# Altium PCB PCB.PcbDoc (part 4 of 11)
Units mm, origin at the board's own origin, x right, y up, seen from the top; angles counter-clockwise.
Board outline 134.62 x 134.62 mm, 2 copper layers (Top Layer, Bottom Layer); 223 components, 326 nets, 5222 pads, 379 vias.
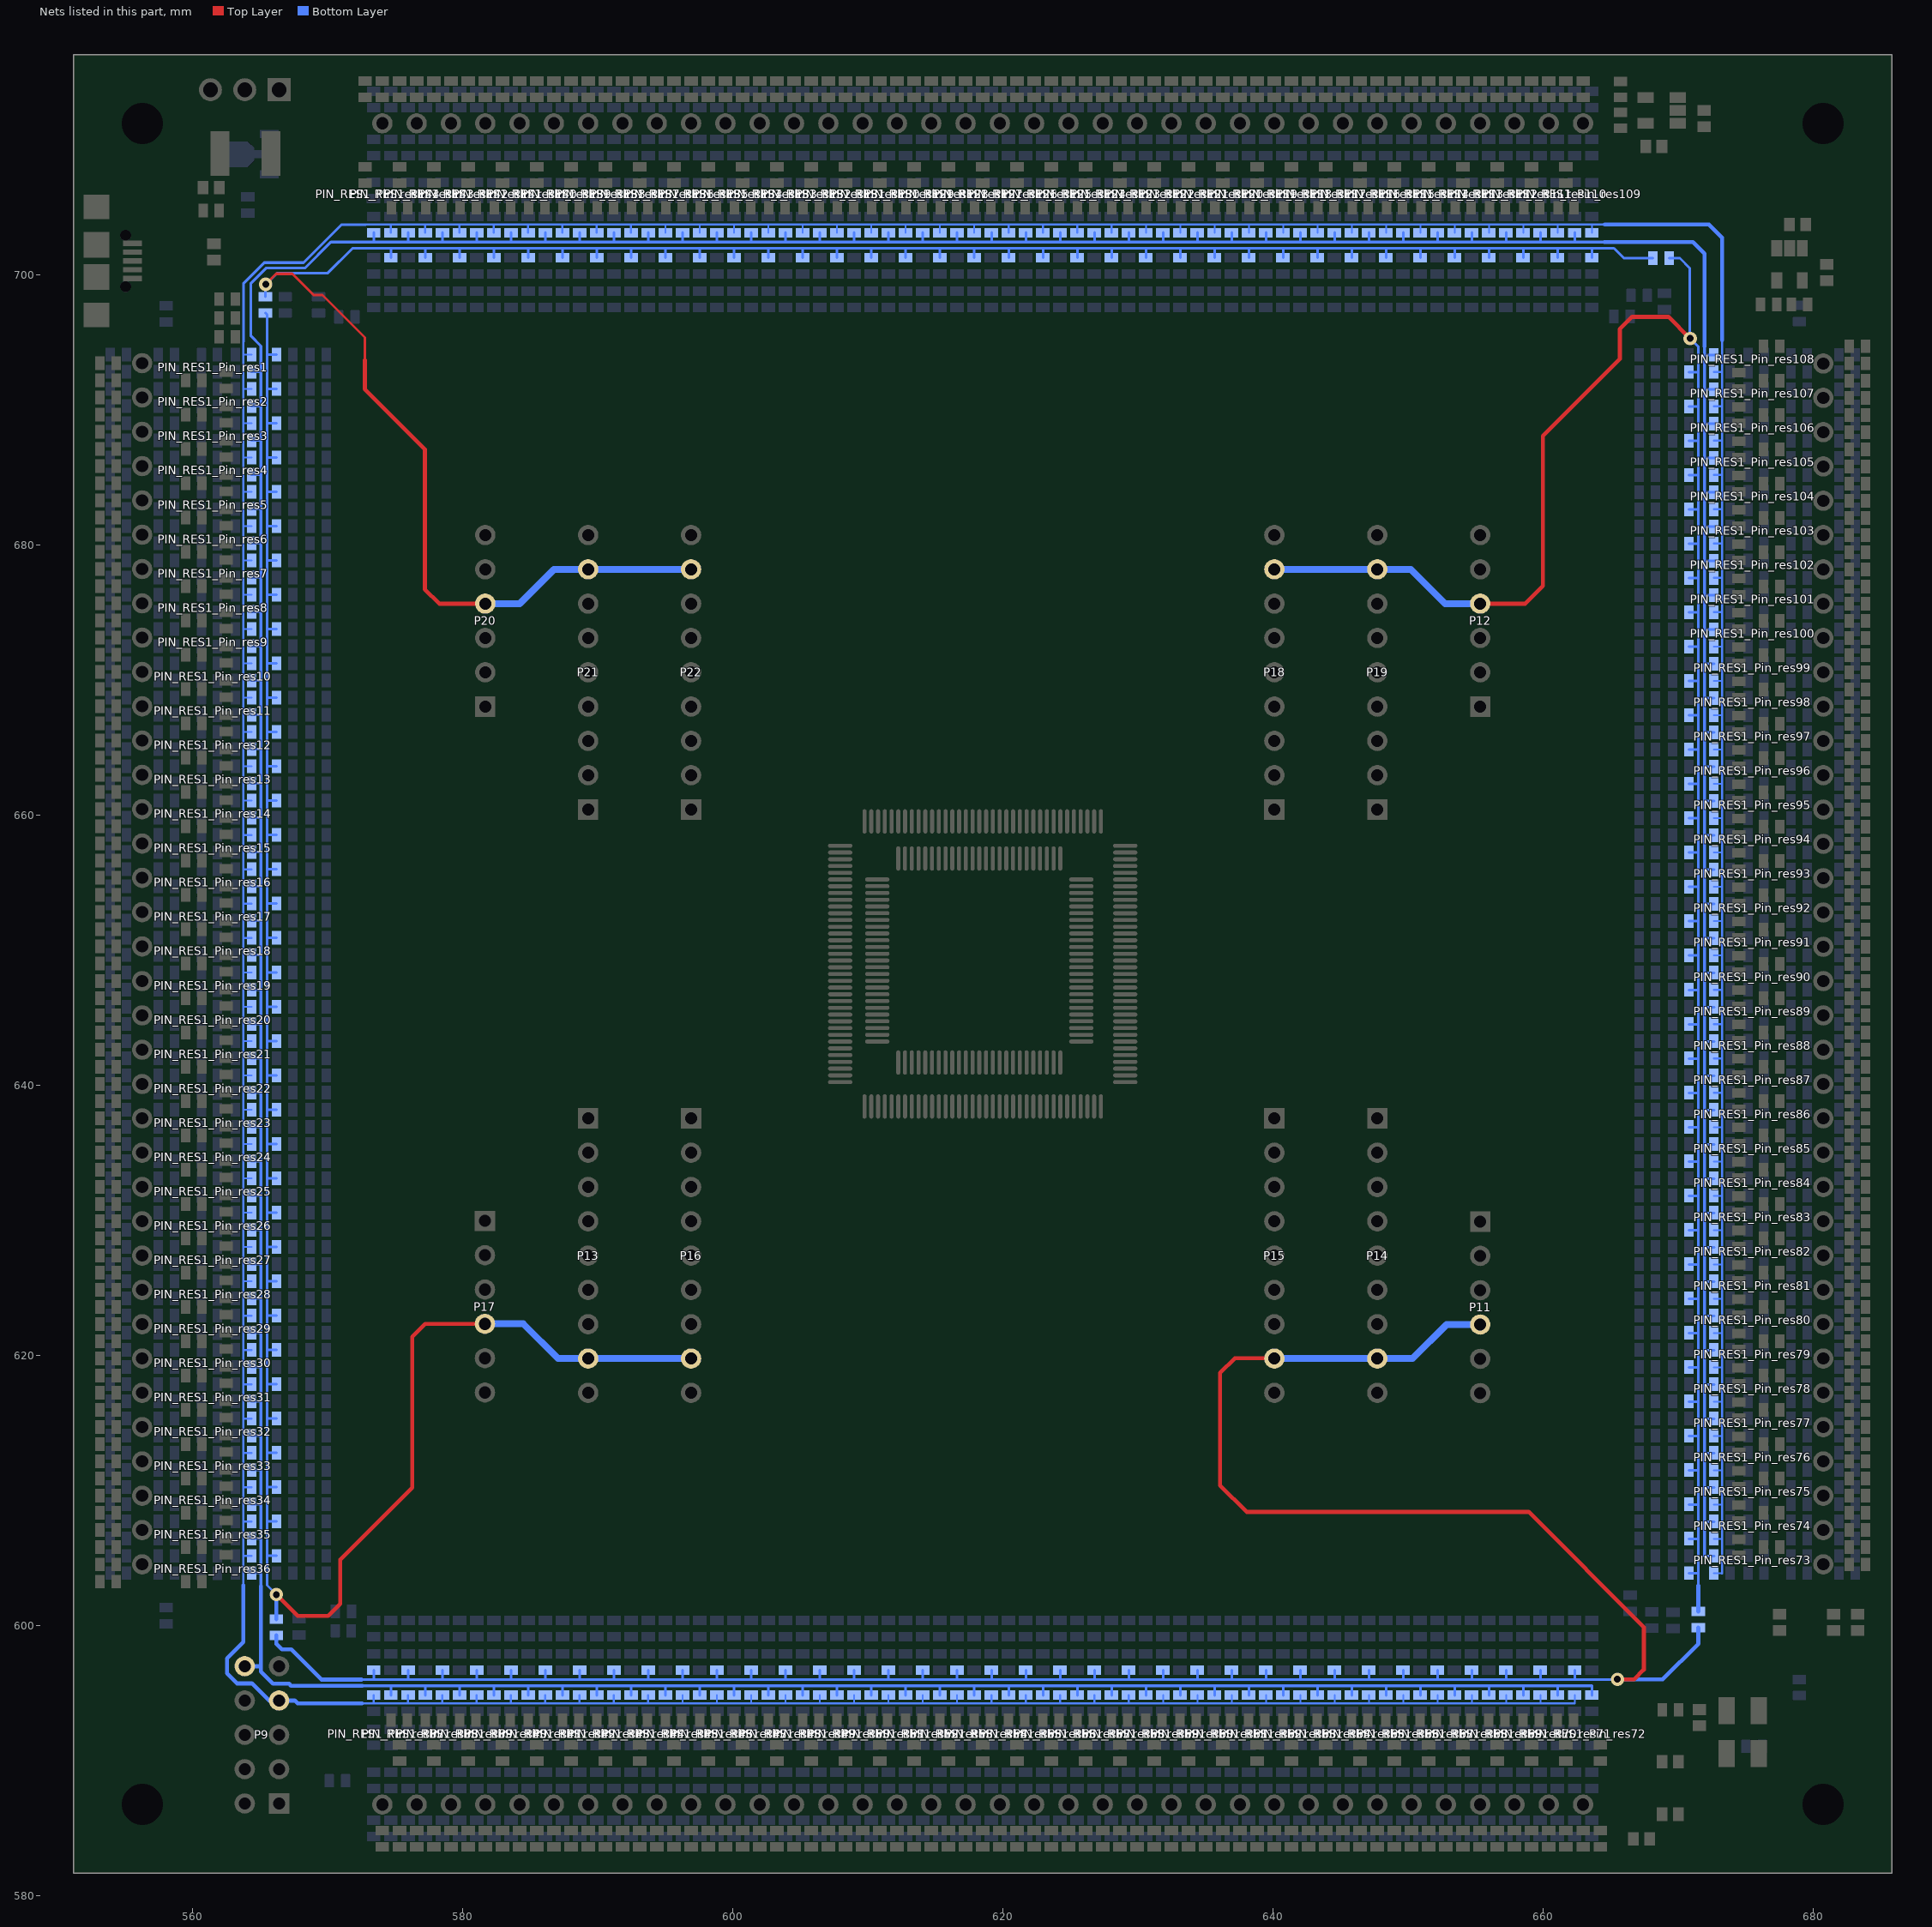
[diagram p4: the nets of this part, all layers, seen from the top]

## Via types
v1: diameter 1, hole 0.5, Top Layer to Bottom Layer, 322 vias
v2: diameter 1, hole 0.5, Top Layer to Bottom Layer, tented both sides, 57 vias

## Nets (pads, with @x,y where several pads share a name; then routed paths per layer and width w, separated by ;. In a path a pad name is that pad's centre, name@x,y a point inside that pad or via, vN(x,y) a via of type N, cw(c..) or ccw(c..) an arc to the next point about the centre after c; other vN are vias at no path point) (continued)
IO4: P9.7 PIN_RES1_Pin_res1.8 PIN_RES1_Pin_res2.8 PIN_RES1_Pin_res3.8 PIN_RES1_Pin_res4.8 PIN_RES1_Pin_res5.8 PIN_RES1_Pin_res6.8 PIN_RES1_Pin_res7.8 PIN_RES1_Pin_res8.8 PIN_RES1_Pin_res9.8 PIN_RES1_Pin_res10.8 PIN_RES1_Pin_res11.8 PIN_RES1_Pin_res12.8 PIN_RES1_Pin_res13.8 PIN_RES1_Pin_res14.8 PIN_RES1_Pin_res15.8 PIN_RES1_Pin_res16.8 PIN_RES1_Pin_res17.8 PIN_RES1_Pin_res18.8 PIN_RES1_Pin_res19.8 PIN_RES1_Pin_res20.8 PIN_RES1_Pin_res21.8 PIN_RES1_Pin_res22.8 PIN_RES1_Pin_res23.8 PIN_RES1_Pin_res24.8 PIN_RES1_Pin_res25.8 PIN_RES1_Pin_res26.8 PIN_RES1_Pin_res27.8 PIN_RES1_Pin_res28.8 PIN_RES1_Pin_res29.8 PIN_RES1_Pin_res30.8 PIN_RES1_Pin_res31.8 PIN_RES1_Pin_res32.8 PIN_RES1_Pin_res33.8 PIN_RES1_Pin_res34.8 PIN_RES1_Pin_res35.8 PIN_RES1_Pin_res36.8 PIN_RES1_Pin_res37.8 PIN_RES1_Pin_res38.8 PIN_RES1_Pin_res39.8 PIN_RES1_Pin_res40.8 PIN_RES1_Pin_res41.8 PIN_RES1_Pin_res42.8 PIN_RES1_Pin_res43.8 PIN_RES1_Pin_res44.8 PIN_RES1_Pin_res45.8 PIN_RES1_Pin_res46.8 PIN_RES1_Pin_res47.8 PIN_RES1_Pin_res48.8 PIN_RES1_Pin_res49.8 PIN_RES1_Pin_res50.8 PIN_RES1_Pin_res51.8 PIN_RES1_Pin_res52.8 PIN_RES1_Pin_res53.8 PIN_RES1_Pin_res54.8 PIN_RES1_Pin_res55.8 PIN_RES1_Pin_res56.8 PIN_RES1_Pin_res57.8 PIN_RES1_Pin_res58.8 PIN_RES1_Pin_res59.8 PIN_RES1_Pin_res60.8 PIN_RES1_Pin_res61.8 PIN_RES1_Pin_res62.8 PIN_RES1_Pin_res63.8 PIN_RES1_Pin_res64.8 PIN_RES1_Pin_res65.8 PIN_RES1_Pin_res66.8 PIN_RES1_Pin_res67.8 PIN_RES1_Pin_res68.8 PIN_RES1_Pin_res69.8 PIN_RES1_Pin_res70.8 PIN_RES1_Pin_res71.8 PIN_RES1_Pin_res72.8 PIN_RES1_Pin_res73.8 PIN_RES1_Pin_res74.8 PIN_RES1_Pin_res75.8 PIN_RES1_Pin_res76.8 PIN_RES1_Pin_res77.8 PIN_RES1_Pin_res78.8 PIN_RES1_Pin_res79.8 PIN_RES1_Pin_res80.8 PIN_RES1_Pin_res81.8 PIN_RES1_Pin_res82.8 PIN_RES1_Pin_res83.8 PIN_RES1_Pin_res84.8 PIN_RES1_Pin_res85.8 PIN_RES1_Pin_res86.8 PIN_RES1_Pin_res87.8 PIN_RES1_Pin_res88.8 PIN_RES1_Pin_res89.8 PIN_RES1_Pin_res90.8 PIN_RES1_Pin_res91.8 PIN_RES1_Pin_res92.8 PIN_RES1_Pin_res93.8 PIN_RES1_Pin_res94.8 PIN_RES1_Pin_res95.8 PIN_RES1_Pin_res96.8 PIN_RES1_Pin_res97.8 PIN_RES1_Pin_res98.8 PIN_RES1_Pin_res99.8 PIN_RES1_Pin_res100.8 PIN_RES1_Pin_res101.8 PIN_RES1_Pin_res102.8 PIN_RES1_Pin_res103.8 PIN_RES1_Pin_res104.8 PIN_RES1_Pin_res105.8 PIN_RES1_Pin_res106.8 PIN_RES1_Pin_res107.8 PIN_RES1_Pin_res108.8 PIN_RES1_Pin_res109.8 PIN_RES1_Pin_res110.8 PIN_RES1_Pin_res111.8 PIN_RES1_Pin_res112.8 PIN_RES1_Pin_res113.8 PIN_RES1_Pin_res114.8 PIN_RES1_Pin_res115.8 PIN_RES1_Pin_res116.8 PIN_RES1_Pin_res117.8 PIN_RES1_Pin_res118.8 PIN_RES1_Pin_res119.8 PIN_RES1_Pin_res120.8 PIN_RES1_Pin_res121.8 PIN_RES1_Pin_res122.8 PIN_RES1_Pin_res123.8 PIN_RES1_Pin_res124.8 PIN_RES1_Pin_res125.8 PIN_RES1_Pin_res126.8 PIN_RES1_Pin_res127.8 PIN_RES1_Pin_res128.8 PIN_RES1_Pin_res129.8 PIN_RES1_Pin_res130.8 PIN_RES1_Pin_res131.8 PIN_RES1_Pin_res132.8 PIN_RES1_Pin_res133.8 PIN_RES1_Pin_res134.8 PIN_RES1_Pin_res135.8 PIN_RES1_Pin_res136.8 PIN_RES1_Pin_res137.8 PIN_RES1_Pin_res138.8 PIN_RES1_Pin_res139.8 PIN_RES1_Pin_res140.8 PIN_RES1_Pin_res141.8 PIN_RES1_Pin_res142.8 PIN_RES1_Pin_res143.8 PIN_RES1_Pin_res144.8 | length 502
  Bottom Layer w0.15: 563.753,600.329 563.753,602.971 563.753,605.155 ; 563.753,695.02 563.753,694.106 ; 563.778,605.155 PIN_RES1_Pin_res36.8@564.353,605.155 563.753,605.155 ; 563.778,607.695 PIN_RES1_Pin_res35.8@564.353,607.695 ; 563.778,610.235 PIN_RES1_Pin_res34.8@564.353,610.235 ; 563.778,612.775 PIN_RES1_Pin_res33.8@564.353,612.775 ; 563.778,615.315 PIN_RES1_Pin_res32.8@564.353,615.315 ; 563.778,617.855 PIN_RES1_Pin_res31.8@564.353,617.855 ; 563.778,620.395 PIN_RES1_Pin_res30.8@564.353,620.395 ; 563.778,622.935 PIN_RES1_Pin_res29.8@564.353,622.935 ; 563.778,625.475 PIN_RES1_Pin_res28.8@564.353,625.475 ; 563.778,628.015 PIN_RES1_Pin_res27.8@564.353,628.015 ; 563.778,630.555 PIN_RES1_Pin_res26.8@564.353,630.555 ; 563.778,633.095 PIN_RES1_Pin_res25.8@564.353,633.095 ; 563.778,635.635 PIN_RES1_Pin_res24.8@564.353,635.635 ; 563.778,638.175 PIN_RES1_Pin_res23.8@564.353,638.175 ; 563.778,640.715 PIN_RES1_Pin_res22.8@564.353,640.715 ; 563.778,643.255 PIN_RES1_Pin_res21.8@564.353,643.255 ; 563.778,645.795 PIN_RES1_Pin_res20.8@564.353,645.795 ; 563.778,648.335 PIN_RES1_Pin_res19.8@564.353,648.335 ; 563.778,650.9 PIN_RES1_Pin_res18.8@564.353,650.9 ; 563.778,653.44 PIN_RES1_Pin_res17.8@564.353,653.44 ; 563.778,655.98 PIN_RES1_Pin_res16.8@564.353,655.98 ; 563.778,658.52 PIN_RES1_Pin_res15.8@564.353,658.52 ; 563.778,661.06 PIN_RES1_Pin_res14.8@564.353,661.06 ; 563.778,663.6 PIN_RES1_Pin_res13.8@564.353,663.6 ; 563.778,666.14 PIN_RES1_Pin_res12.8@564.353,666.14 ; 563.778,668.68 PIN_RES1_Pin_res11.8@564.353,668.68 ; 563.778,671.22 PIN_RES1_Pin_res10.8@564.353,671.22 ; 563.778,673.76 PIN_RES1_Pin_res9.8@564.353,673.76 ; 563.778,676.3 PIN_RES1_Pin_res8.8@564.353,676.3 ; 563.778,678.84 PIN_RES1_Pin_res7.8@564.353,678.84 ; 563.778,681.38 PIN_RES1_Pin_res6.8@564.353,681.38 ; 563.778,683.92 PIN_RES1_Pin_res5.8@564.353,683.92 ; 563.778,686.46 PIN_RES1_Pin_res4.8@564.353,686.46 ; 563.778,689 PIN_RES1_Pin_res3.8@564.353,689 ; 563.778,691.54 PIN_RES1_Pin_res2.8@564.353,691.54 ; PIN_RES1_Pin_res1.8@564.353,694.08 563.778,694.08 563.753,694.106 ; 572.541,594.233 573.38,594.233 ; 572.795,703.707 574.675,703.707 ; PIN_RES1_Pin_res37.8@573.405,594.833 573.405,594.258 573.38,594.233 ; 574.675,703.682 PIN_RES1_Pin_res144.8@574.675,703.107 574.675,703.707 ; 575.945,594.258 PIN_RES1_Pin_res38.8@575.945,594.833 ; PIN_RES1_Pin_res143.8@577.215,703.107 577.215,703.682 ; 578.485,594.258 PIN_RES1_Pin_res39.8@578.485,594.833 ; PIN_RES1_Pin_res142.8@579.755,703.107 579.755,703.682 ; 581.025,594.258 PIN_RES1_Pin_res40.8@581.025,594.833 ; PIN_RES1_Pin_res141.8@582.295,703.107 582.295,703.682 ; 583.565,594.258 PIN_RES1_Pin_res41.8@583.565,594.833 ; PIN_RES1_Pin_res140.8@584.835,703.107 584.835,703.682 ; 586.105,594.258 PIN_RES1_Pin_res42.8@586.105,594.833 ; PIN_RES1_Pin_res139.8@587.375,703.107 587.375,703.682 ; 588.645,594.258 PIN_RES1_Pin_res43.8@588.645,594.833 ; PIN_RES1_Pin_res138.8@589.915,703.107 589.915,703.682 ; 591.185,594.258 PIN_RES1_Pin_res44.8@591.185,594.833 ; PIN_RES1_Pin_res137.8@592.455,703.107 592.455,703.682 ; 593.725,594.258 PIN_RES1_Pin_res45.8@593.725,594.833 ; PIN_RES1_Pin_res136.8@594.995,703.107 594.995,703.682 ; 596.265,594.258 PIN_RES1_Pin_res46.8@596.265,594.833 ; PIN_RES1_Pin_res135.8@597.535,703.107 597.535,703.682 ; 598.805,594.258 PIN_RES1_Pin_res47.8@598.805,594.833 ; PIN_RES1_Pin_res134.8@600.075,703.107 600.075,703.682 ; 601.345,594.258 PIN_RES1_Pin_res48.8@601.345,594.833 ; PIN_RES1_Pin_res133.8@602.615,703.107 602.615,703.682 ; 603.885,594.258 PIN_RES1_Pin_res49.8@603.885,594.833 ; PIN_RES1_Pin_res132.8@605.155,703.107 605.155,703.682 ; 606.425,594.258 PIN_RES1_Pin_res50.8@606.425,594.833 ; PIN_RES1_Pin_res131.8@607.695,703.107 607.695,703.682 ; 608.965,594.258 PIN_RES1_Pin_res51.8@608.965,594.833 ; PIN_RES1_Pin_res130.8@610.235,703.107 610.235,703.682 ; 611.505,594.258 PIN_RES1_Pin_res52.8@611.505,594.833 ; PIN_RES1_Pin_res129.8@612.775,703.107 612.775,703.682 ; 614.045,594.258 PIN_RES1_Pin_res53.8@614.045,594.833 ; PIN_RES1_Pin_res128.8@615.315,703.107 615.315,703.682 ; 616.585,594.258 PIN_RES1_Pin_res54.8@616.585,594.833 ; PIN_RES1_Pin_res127.8@617.855,703.107 617.855,703.682 ; 619.15,594.258 PIN_RES1_Pin_res55.8@619.15,594.833 ; PIN_RES1_Pin_res126.8@620.42,703.107 620.42,703.682 ; 621.69,594.258 PIN_RES1_Pin_res56.8@621.69,594.833 ; PIN_RES1_Pin_res125.8@622.96,703.107 622.96,703.682 ; 624.23,594.258 PIN_RES1_Pin_res57.8@624.23,594.833 ; PIN_RES1_Pin_res124.8@625.5,703.107 625.5,703.682 ; 626.77,594.258 PIN_RES1_Pin_res58.8@626.77,594.833 ; PIN_RES1_Pin_res123.8@628.04,703.107 628.04,703.682 ; 629.31,594.258 PIN_RES1_Pin_res59.8@629.31,594.833 ; PIN_RES1_Pin_res122.8@630.58,703.107 630.58,703.682 ; 631.85,594.258 PIN_RES1_Pin_res60.8@631.85,594.833 ; PIN_RES1_Pin_res121.8@633.12,703.107 633.12,703.682 ; 634.39,594.258 PIN_RES1_Pin_res61.8@634.39,594.833 ; PIN_RES1_Pin_res120.8@635.66,703.107 635.66,703.682 ; 636.93,594.258 PIN_RES1_Pin_res62.8@636.93,594.833 ; PIN_RES1_Pin_res119.8@638.2,703.107 638.2,703.682 ; 639.47,594.258 PIN_RES1_Pin_res63.8@639.47,594.833 ; PIN_RES1_Pin_res118.8@640.74,703.107 640.74,703.682 ; 642.01,594.258 PIN_RES1_Pin_res64.8@642.01,594.833 ; PIN_RES1_Pin_res117.8@643.28,703.107 643.28,703.682 ; 644.55,594.258 PIN_RES1_Pin_res65.8@644.55,594.833 ; PIN_RES1_Pin_res116.8@645.82,703.107 645.82,703.682 ; 647.09,594.258 PIN_RES1_Pin_res66.8@647.09,594.833 ; PIN_RES1_Pin_res115.8@648.36,703.107 648.36,703.682 ; 649.63,594.258 PIN_RES1_Pin_res67.8@649.63,594.833 ; PIN_RES1_Pin_res114.8@650.9,703.107 650.9,703.682 ; 652.17,594.258 PIN_RES1_Pin_res68.8@652.17,594.833 ; PIN_RES1_Pin_res113.8@653.44,703.107 653.44,703.682 ; 654.71,594.258 PIN_RES1_Pin_res69.8@654.71,594.833 ; PIN_RES1_Pin_res112.8@655.98,703.107 655.98,703.682 ; 657.25,594.258 PIN_RES1_Pin_res70.8@657.25,594.833 ; PIN_RES1_Pin_res111.8@658.52,703.107 658.52,703.682 ; 659.79,594.258 PIN_RES1_Pin_res71.8@659.79,594.833 ; PIN_RES1_Pin_res110.8@661.06,703.107 661.06,703.682 ; PIN_RES1_Pin_res72.8@662.33,594.833 662.33,594.233 573.38,594.233 ; PIN_RES1_Pin_res109.8@663.6,703.107 663.6,703.682 663.626,703.707 ; 664.54,703.707 663.626,703.707 ; PIN_RES1_Pin_res73.8@672.627,603.86 673.202,603.86 673.227,603.834 673.227,692.785 ; PIN_RES1_Pin_res74.8@672.627,606.4 673.202,606.4 ; PIN_RES1_Pin_res75.8@672.627,608.94 673.202,608.94 ; PIN_RES1_Pin_res76.8@672.627,611.48 673.202,611.48 ; PIN_RES1_Pin_res77.8@672.627,614.02 673.202,614.02 ; PIN_RES1_Pin_res78.8@672.627,616.56 673.202,616.56 ; PIN_RES1_Pin_res79.8@672.627,619.1 673.202,619.1 ; PIN_RES1_Pin_res80.8@672.627,621.64 673.202,621.64 ; PIN_RES1_Pin_res81.8@672.627,624.18 673.202,624.18 ; PIN_RES1_Pin_res82.8@672.627,626.72 673.202,626.72 ; PIN_RES1_Pin_res83.8@672.627,629.26 673.202,629.26 ; PIN_RES1_Pin_res84.8@672.627,631.8 673.202,631.8 ; PIN_RES1_Pin_res85.8@672.627,634.34 673.202,634.34 ; PIN_RES1_Pin_res86.8@672.627,636.88 673.202,636.88 ; PIN_RES1_Pin_res87.8@672.627,639.42 673.202,639.42 ; PIN_RES1_Pin_res88.8@672.627,641.96 673.202,641.96 ; PIN_RES1_Pin_res89.8@672.627,644.5 673.202,644.5 ; PIN_RES1_Pin_res90.8@672.627,647.04 673.202,647.04 ; PIN_RES1_Pin_res91.8@672.627,649.605 673.202,649.605 ; PIN_RES1_Pin_res92.8@672.627,652.145 673.202,652.145 ; PIN_RES1_Pin_res93.8@672.627,654.685 673.202,654.685 ; PIN_RES1_Pin_res94.8@672.627,657.225 673.202,657.225 ; PIN_RES1_Pin_res95.8@672.627,659.765 673.202,659.765 ; PIN_RES1_Pin_res96.8@672.627,662.305 673.202,662.305 ; PIN_RES1_Pin_res97.8@672.627,664.845 673.202,664.845 ; PIN_RES1_Pin_res98.8@672.627,667.385 673.202,667.385 ; PIN_RES1_Pin_res99.8@672.627,669.925 673.202,669.925 ; PIN_RES1_Pin_res100.8@672.627,672.465 673.202,672.465 ; PIN_RES1_Pin_res101.8@672.627,675.005 673.202,675.005 ; PIN_RES1_Pin_res102.8@672.627,677.545 673.202,677.545 ; PIN_RES1_Pin_res103.8@672.627,680.085 673.202,680.085 ; PIN_RES1_Pin_res104.8@672.627,682.625 673.202,682.625 ; PIN_RES1_Pin_res105.8@672.627,685.165 673.202,685.165 ; PIN_RES1_Pin_res106.8@672.627,687.705 673.202,687.705 ; PIN_RES1_Pin_res107.8@672.627,690.245 673.202,690.245 ; 673.202,692.785 PIN_RES1_Pin_res108.8@672.627,692.785 673.227,692.785 ; 673.227,695.173 673.227,692.785 ; 563.753,605.155 563.753,694.106 ; 574.675,703.707 663.626,703.707
  Bottom Layer w0.2: 563.753,695.02 563.753,699.338 565.302,700.888 568.211,700.888 571.03,703.707 572.795,703.707
  Bottom Layer w0.3: 563.753,602.971 563.753,598.78 562.534,597.56 562.534,596.443 563.27,595.706 564.388,595.706 565.658,594.436 P9.7@566.395,594.436 567.563,594.436 567.766,594.233 572.541,594.233 ; 664.54,703.707 672.262,703.707 673.227,702.742 673.227,700.722 ; 673.227,695.147 673.227,700.684
IO5: P9.10 PIN_RES1_Pin_res1.9 PIN_RES1_Pin_res2.9 PIN_RES1_Pin_res3.9 PIN_RES1_Pin_res4.9 PIN_RES1_Pin_res5.9 PIN_RES1_Pin_res6.9 PIN_RES1_Pin_res7.9 PIN_RES1_Pin_res8.9 PIN_RES1_Pin_res9.9 PIN_RES1_Pin_res10.9 PIN_RES1_Pin_res11.9 PIN_RES1_Pin_res12.9 PIN_RES1_Pin_res13.9 PIN_RES1_Pin_res14.9 PIN_RES1_Pin_res15.9 PIN_RES1_Pin_res16.9 PIN_RES1_Pin_res17.9 PIN_RES1_Pin_res18.9 PIN_RES1_Pin_res19.9 PIN_RES1_Pin_res20.9 PIN_RES1_Pin_res21.9 PIN_RES1_Pin_res22.9 PIN_RES1_Pin_res23.9 PIN_RES1_Pin_res24.9 PIN_RES1_Pin_res25.9 PIN_RES1_Pin_res26.9 PIN_RES1_Pin_res27.9 PIN_RES1_Pin_res28.9 PIN_RES1_Pin_res29.9 PIN_RES1_Pin_res30.9 PIN_RES1_Pin_res31.9 PIN_RES1_Pin_res32.9 PIN_RES1_Pin_res33.9 PIN_RES1_Pin_res34.9 PIN_RES1_Pin_res35.9 PIN_RES1_Pin_res36.9 PIN_RES1_Pin_res37.9 PIN_RES1_Pin_res38.9 PIN_RES1_Pin_res39.9 PIN_RES1_Pin_res40.9 PIN_RES1_Pin_res41.9 PIN_RES1_Pin_res42.9 PIN_RES1_Pin_res43.9 PIN_RES1_Pin_res44.9 PIN_RES1_Pin_res45.9 PIN_RES1_Pin_res46.9 PIN_RES1_Pin_res47.9 PIN_RES1_Pin_res48.9 PIN_RES1_Pin_res49.9 PIN_RES1_Pin_res50.9 PIN_RES1_Pin_res51.9 PIN_RES1_Pin_res52.9 PIN_RES1_Pin_res53.9 PIN_RES1_Pin_res54.9 PIN_RES1_Pin_res55.9 PIN_RES1_Pin_res56.9 PIN_RES1_Pin_res57.9 PIN_RES1_Pin_res58.9 PIN_RES1_Pin_res59.9 PIN_RES1_Pin_res60.9 PIN_RES1_Pin_res61.9 PIN_RES1_Pin_res62.9 PIN_RES1_Pin_res63.9 PIN_RES1_Pin_res64.9 PIN_RES1_Pin_res65.9 PIN_RES1_Pin_res66.9 PIN_RES1_Pin_res67.9 PIN_RES1_Pin_res68.9 PIN_RES1_Pin_res69.9 PIN_RES1_Pin_res70.9 PIN_RES1_Pin_res71.9 PIN_RES1_Pin_res72.9 PIN_RES1_Pin_res73.9 PIN_RES1_Pin_res74.9 PIN_RES1_Pin_res75.9 PIN_RES1_Pin_res76.9 PIN_RES1_Pin_res77.9 PIN_RES1_Pin_res78.9 PIN_RES1_Pin_res79.9 PIN_RES1_Pin_res80.9 PIN_RES1_Pin_res81.9 PIN_RES1_Pin_res82.9 PIN_RES1_Pin_res83.9 PIN_RES1_Pin_res84.9 PIN_RES1_Pin_res85.9 PIN_RES1_Pin_res86.9 PIN_RES1_Pin_res87.9 PIN_RES1_Pin_res88.9 PIN_RES1_Pin_res89.9 PIN_RES1_Pin_res90.9 PIN_RES1_Pin_res91.9 PIN_RES1_Pin_res92.9 PIN_RES1_Pin_res93.9 PIN_RES1_Pin_res94.9 PIN_RES1_Pin_res95.9 PIN_RES1_Pin_res96.9 PIN_RES1_Pin_res97.9 PIN_RES1_Pin_res98.9 PIN_RES1_Pin_res99.9 PIN_RES1_Pin_res100.9 PIN_RES1_Pin_res101.9 PIN_RES1_Pin_res102.9 PIN_RES1_Pin_res103.9 PIN_RES1_Pin_res104.9 PIN_RES1_Pin_res105.9 PIN_RES1_Pin_res106.9 PIN_RES1_Pin_res107.9 PIN_RES1_Pin_res108.9 PIN_RES1_Pin_res109.9 PIN_RES1_Pin_res110.9 PIN_RES1_Pin_res111.9 PIN_RES1_Pin_res112.9 PIN_RES1_Pin_res113.9 PIN_RES1_Pin_res114.9 PIN_RES1_Pin_res115.9 PIN_RES1_Pin_res116.9 PIN_RES1_Pin_res117.9 PIN_RES1_Pin_res118.9 PIN_RES1_Pin_res119.9 PIN_RES1_Pin_res120.9 PIN_RES1_Pin_res121.9 PIN_RES1_Pin_res122.9 PIN_RES1_Pin_res123.9 PIN_RES1_Pin_res124.9 PIN_RES1_Pin_res125.9 PIN_RES1_Pin_res126.9 PIN_RES1_Pin_res127.9 PIN_RES1_Pin_res128.9 PIN_RES1_Pin_res129.9 PIN_RES1_Pin_res130.9 PIN_RES1_Pin_res131.9 PIN_RES1_Pin_res132.9 PIN_RES1_Pin_res133.9 PIN_RES1_Pin_res134.9 PIN_RES1_Pin_res135.9 PIN_RES1_Pin_res136.9 PIN_RES1_Pin_res137.9 PIN_RES1_Pin_res138.9 PIN_RES1_Pin_res139.9 PIN_RES1_Pin_res140.9 PIN_RES1_Pin_res141.9 PIN_RES1_Pin_res142.9 PIN_RES1_Pin_res143.9 PIN_RES1_Pin_res144.9 | length 509.8
  Bottom Layer w0.2: PIN_RES1_Pin_res36.9@564.353,603.885 565.048,603.885 ; PIN_RES1_Pin_res35.9@564.353,606.425 565.048,606.425 ; PIN_RES1_Pin_res34.9@564.353,608.965 565.048,608.965 ; PIN_RES1_Pin_res33.9@564.353,611.505 565.048,611.505 ; PIN_RES1_Pin_res32.9@564.353,614.045 565.048,614.045 ; PIN_RES1_Pin_res31.9@564.353,616.585 565.048,616.585 ; PIN_RES1_Pin_res30.9@564.353,619.125 565.048,619.125 ; PIN_RES1_Pin_res29.9@564.353,621.665 565.048,621.665 ; PIN_RES1_Pin_res28.9@564.353,624.205 565.048,624.205 ; PIN_RES1_Pin_res27.9@564.353,626.745 565.048,626.745 ; PIN_RES1_Pin_res26.9@564.353,629.285 565.048,629.285 ; PIN_RES1_Pin_res25.9@564.353,631.825 565.048,631.825 ; PIN_RES1_Pin_res24.9@564.353,634.365 565.048,634.365 ; PIN_RES1_Pin_res23.9@564.353,636.905 565.048,636.905 ; PIN_RES1_Pin_res22.9@564.353,639.445 565.048,639.445 ; PIN_RES1_Pin_res21.9@564.353,641.985 565.048,641.985 ; PIN_RES1_Pin_res20.9@564.353,644.525 565.048,644.525 ; PIN_RES1_Pin_res19.9@564.353,647.065 565.048,647.065 ; PIN_RES1_Pin_res18.9@564.353,649.63 565.048,649.63 ; PIN_RES1_Pin_res17.9@564.353,652.17 565.048,652.17 ; PIN_RES1_Pin_res16.9@564.353,654.71 565.048,654.71 ; PIN_RES1_Pin_res15.9@564.353,657.25 565.048,657.25 ; PIN_RES1_Pin_res14.9@564.353,659.79 565.048,659.79 ; PIN_RES1_Pin_res13.9@564.353,662.33 565.048,662.33 ; PIN_RES1_Pin_res12.9@564.353,664.87 565.048,664.87 ; PIN_RES1_Pin_res11.9@564.353,667.41 565.048,667.41 ; PIN_RES1_Pin_res10.9@564.353,669.95 565.048,669.95 ; PIN_RES1_Pin_res9.9@564.353,672.49 565.048,672.49 ; PIN_RES1_Pin_res8.9@564.353,675.03 565.048,675.03 ; PIN_RES1_Pin_res7.9@564.353,677.57 565.048,677.57 ; PIN_RES1_Pin_res6.9@564.353,680.11 565.048,680.11 ; PIN_RES1_Pin_res5.9@564.353,682.65 565.048,682.65 ; PIN_RES1_Pin_res4.9@564.353,685.19 565.048,685.19 ; PIN_RES1_Pin_res3.9@564.353,687.73 565.048,687.73 ; PIN_RES1_Pin_res2.9@564.353,690.27 565.048,690.27 ; PIN_RES1_Pin_res1.9@564.353,692.81 565.048,692.81 ; 565.048,602.844 565.048,603.885 ; 572.567,595.528 574.675,595.528 ; 572.795,702.412 572.922,702.412 ; PIN_RES1_Pin_res144.9@573.405,703.107 573.405,702.412 ; PIN_RES1_Pin_res37.9@574.675,594.833 574.675,595.528 ; PIN_RES1_Pin_res143.9@575.945,703.107 575.945,702.412 ; PIN_RES1_Pin_res38.9@577.215,594.833 577.215,595.528 ; PIN_RES1_Pin_res142.9@578.485,703.107 578.485,702.412 ; PIN_RES1_Pin_res39.9@579.755,594.833 579.755,595.528 ; PIN_RES1_Pin_res141.9@581.025,703.107 581.025,702.412 ; PIN_RES1_Pin_res40.9@582.295,594.833 582.295,595.528 ; PIN_RES1_Pin_res140.9@583.565,703.107 583.565,702.412 ; PIN_RES1_Pin_res41.9@584.835,594.833 584.835,595.528 ; PIN_RES1_Pin_res139.9@586.105,703.107 586.105,702.412 ; PIN_RES1_Pin_res42.9@587.375,594.833 587.375,595.528 ; PIN_RES1_Pin_res138.9@588.645,703.107 588.645,702.412 ; PIN_RES1_Pin_res43.9@589.915,594.833 589.915,595.528 ; PIN_RES1_Pin_res137.9@591.185,703.107 591.185,702.412 ; PIN_RES1_Pin_res44.9@592.455,594.833 592.455,595.528 ; PIN_RES1_Pin_res136.9@593.725,703.107 593.725,702.412 ; PIN_RES1_Pin_res45.9@594.995,594.833 594.995,595.528 ; PIN_RES1_Pin_res135.9@596.265,703.107 596.265,702.412 ; PIN_RES1_Pin_res46.9@597.535,594.833 597.535,595.528 ; PIN_RES1_Pin_res134.9@598.805,703.107 598.805,702.412 ; PIN_RES1_Pin_res47.9@600.075,594.833 600.075,595.528 ; PIN_RES1_Pin_res133.9@601.345,703.107 601.345,702.412 ; PIN_RES1_Pin_res48.9@602.615,594.833 602.615,595.528 ; PIN_RES1_Pin_res132.9@603.885,703.107 603.885,702.412 ; PIN_RES1_Pin_res49.9@605.155,594.833 605.155,595.528 ; PIN_RES1_Pin_res131.9@606.425,703.107 606.425,702.412 ; PIN_RES1_Pin_res50.9@607.695,594.833 607.695,595.528 ; PIN_RES1_Pin_res130.9@608.965,703.107 608.965,702.412 ; PIN_RES1_Pin_res51.9@610.235,594.833 610.235,595.528 ; PIN_RES1_Pin_res129.9@611.505,703.107 611.505,702.412 ; PIN_RES1_Pin_res52.9@612.775,594.833 612.775,595.528 ; PIN_RES1_Pin_res128.9@614.045,703.107 614.045,702.412 ; PIN_RES1_Pin_res53.9@615.315,594.833 615.315,595.528 ; PIN_RES1_Pin_res127.9@616.585,703.107 616.585,702.412 ; PIN_RES1_Pin_res54.9@617.855,594.833 617.855,595.528 ; PIN_RES1_Pin_res126.9@619.15,703.107 619.15,702.412 ; PIN_RES1_Pin_res55.9@620.42,594.833 620.42,595.528 ; PIN_RES1_Pin_res125.9@621.69,703.107 621.69,702.412 ; PIN_RES1_Pin_res56.9@622.96,594.833 622.96,595.528 ; PIN_RES1_Pin_res124.9@624.23,703.107 624.23,702.412 ; PIN_RES1_Pin_res57.9@625.5,594.833 625.5,595.528 ; PIN_RES1_Pin_res123.9@626.77,703.107 626.77,702.412 ; PIN_RES1_Pin_res58.9@628.04,594.833 628.04,595.528 ; PIN_RES1_Pin_res122.9@629.31,703.107 629.31,702.412 ; PIN_RES1_Pin_res59.9@630.58,594.833 630.58,595.528 ; PIN_RES1_Pin_res121.9@631.85,703.107 631.85,702.412 ; PIN_RES1_Pin_res60.9@633.12,594.833 633.12,595.528 ; PIN_RES1_Pin_res120.9@634.39,703.107 634.39,702.412 ; PIN_RES1_Pin_res61.9@635.66,594.833 635.66,595.528 ; PIN_RES1_Pin_res119.9@636.93,703.107 636.93,702.412 ; PIN_RES1_Pin_res62.9@638.2,594.833 638.2,595.528 ; PIN_RES1_Pin_res118.9@639.47,703.107 639.47,702.412 ; PIN_RES1_Pin_res63.9@640.74,594.833 640.74,595.528 ; PIN_RES1_Pin_res117.9@642.01,703.107 642.01,702.412 ; PIN_RES1_Pin_res64.9@643.28,594.833 643.28,595.528 ; PIN_RES1_Pin_res116.9@644.55,703.107 644.55,702.412 ; PIN_RES1_Pin_res65.9@645.82,594.833 645.82,595.528 ; PIN_RES1_Pin_res115.9@647.09,703.107 647.09,702.412 ; PIN_RES1_Pin_res66.9@648.36,594.833 648.36,595.528 ; PIN_RES1_Pin_res114.9@649.63,703.107 649.63,702.412 ; PIN_RES1_Pin_res67.9@650.9,594.833 650.9,595.528 ; PIN_RES1_Pin_res113.9@652.17,703.107 652.17,702.412 ; PIN_RES1_Pin_res68.9@653.44,594.833 653.44,595.528 ; PIN_RES1_Pin_res112.9@654.71,703.107 654.71,702.412 ; PIN_RES1_Pin_res69.9@655.98,594.833 655.98,595.528 ; PIN_RES1_Pin_res111.9@657.25,703.107 657.25,702.412 ; PIN_RES1_Pin_res70.9@658.52,594.833 658.52,595.528 ; PIN_RES1_Pin_res110.9@659.79,703.107 659.79,702.412 ; PIN_RES1_Pin_res71.9@661.06,594.833 661.06,595.528 ; PIN_RES1_Pin_res109.9@662.33,703.107 662.33,702.412 ; PIN_RES1_Pin_res72.9@663.6,594.833 663.6,595.528 661.06,595.528 ; 664.515,702.412 662.33,702.412 ; 671.932,694.665 671.932,694.055 ; PIN_RES1_Pin_res73.9@672.627,605.13 671.932,605.13 671.932,607.67 ; PIN_RES1_Pin_res74.9@672.627,607.67 671.932,607.67 ; PIN_RES1_Pin_res75.9@672.627,610.21 671.932,610.21 ; PIN_RES1_Pin_res76.9@672.627,612.75 671.932,612.75 ; PIN_RES1_Pin_res77.9@672.627,615.29 671.932,615.29 ; PIN_RES1_Pin_res78.9@672.627,617.83 671.932,617.83 ; PIN_RES1_Pin_res79.9@672.627,620.37 671.932,620.37 ; PIN_RES1_Pin_res80.9@672.627,622.91 671.932,622.91 ; PIN_RES1_Pin_res81.9@672.627,625.45 671.932,625.45 ; PIN_RES1_Pin_res82.9@672.627,627.99 671.932,627.99 ; PIN_RES1_Pin_res83.9@672.627,630.53 671.932,630.53 ; PIN_RES1_Pin_res84.9@672.627,633.07 671.932,633.07 ; PIN_RES1_Pin_res85.9@672.627,635.61 671.932,635.61 ; PIN_RES1_Pin_res86.9@672.627,638.15 671.932,638.15 ; PIN_RES1_Pin_res87.9@672.627,640.69 671.932,640.69 ; PIN_RES1_Pin_res88.9@672.627,643.23 671.932,643.23 ; PIN_RES1_Pin_res89.9@672.627,645.77 671.932,645.77 ; PIN_RES1_Pin_res90.9@672.627,648.31 671.932,648.31 ; PIN_RES1_Pin_res91.9@672.627,650.875 671.932,650.875 ; PIN_RES1_Pin_res92.9@672.627,653.415 671.932,653.415 ; PIN_RES1_Pin_res93.9@672.627,655.955 671.932,655.955 ; PIN_RES1_Pin_res94.9@672.627,658.495 671.932,658.495 ; PIN_RES1_Pin_res95.9@672.627,661.035 671.932,661.035 ; PIN_RES1_Pin_res96.9@672.627,663.575 671.932,663.575 ; PIN_RES1_Pin_res97.9@672.627,666.115 671.932,666.115 ; PIN_RES1_Pin_res98.9@672.627,668.655 671.932,668.655 ; PIN_RES1_Pin_res99.9@672.627,671.195 671.932,671.195 ; PIN_RES1_Pin_res100.9@672.627,673.735 671.932,673.735 ; PIN_RES1_Pin_res101.9@672.627,676.275 671.932,676.275 ; PIN_RES1_Pin_res102.9@672.627,678.815 671.932,678.815 ; PIN_RES1_Pin_res103.9@672.627,681.355 671.932,681.355 ; PIN_RES1_Pin_res104.9@672.627,683.895 671.932,683.895 ; PIN_RES1_Pin_res105.9@672.627,686.435 671.932,686.435 ; PIN_RES1_Pin_res106.9@672.627,688.975 671.932,688.975 ; PIN_RES1_Pin_res107.9@672.627,691.515 671.932,691.515 ; PIN_RES1_Pin_res108.9@672.627,694.055 671.932,694.055 ; 565.048,603.885 565.048,606.425 ; 565.048,606.425 565.048,608.965 ; 565.048,608.965 565.048,611.505 ; 565.048,611.505 565.048,614.045 ; 565.048,614.045 565.048,616.585 ; 565.048,616.585 565.048,619.125 ; 565.048,619.125 565.048,621.665 ; 565.048,621.665 565.048,624.205 ; 565.048,624.205 565.048,626.745 ; 565.048,626.745 565.048,629.285 ; 565.048,629.285 565.048,631.825 ; 565.048,631.825 565.048,634.365 ; 565.048,634.365 565.048,636.905 ; 565.048,636.905 565.048,639.445 ; 565.048,639.445 565.048,641.985 ; 565.048,641.985 565.048,644.525 ; 565.048,644.525 565.048,647.065 ; 565.048,647.065 565.048,649.63 ; 565.048,649.63 565.048,652.17 ; 565.048,652.17 565.048,654.71 ; 565.048,654.71 565.048,657.25 ; 565.048,657.25 565.048,659.79 ; 565.048,659.79 565.048,662.33 ; 565.048,662.33 565.048,664.87 ; 565.048,664.87 565.048,667.41 ; 565.048,667.41 565.048,669.95 ; 565.048,669.95 565.048,672.49 ; 565.048,672.49 565.048,675.03 ; 565.048,675.03 565.048,677.57 ; 565.048,677.57 565.048,680.11 ; 565.048,680.11 565.048,682.65 ; 565.048,682.65 565.048,685.19 ; 565.048,685.19 565.048,687.73 ; 565.048,687.73 565.048,690.27 ; 565.048,690.27 565.048,692.81 ; 565.048,692.81 565.048,694.715 564.312,695.452 564.312,699.364 565.429,700.481 568.3,700.481 570.23,702.412 572.922,702.412 ; 572.922,702.412 573.405,702.412 ; 573.405,702.412 575.945,702.412 ; 574.675,595.528 577.215,595.528 ; 575.945,702.412 578.485,702.412 ; 577.215,595.528 579.755,595.528 ; 578.485,702.412 581.025,702.412 ; 579.755,595.528 582.295,595.528 ; 581.025,702.412 583.565,702.412 ; 582.295,595.528 584.835,595.528 ; 583.565,702.412 586.105,702.412 ; 584.835,595.528 587.375,595.528 ; 586.105,702.412 588.645,702.412 ; 587.375,595.528 589.915,595.528 ; 588.645,702.412 591.185,702.412 ; 589.915,595.528 592.455,595.528 ; 591.185,702.412 593.725,702.412 ; 592.455,595.528 594.995,595.528 ; 593.725,702.412 596.265,702.412 ; 594.995,595.528 597.535,595.528 ; 596.265,702.412 598.805,702.412 ; 597.535,595.528 600.075,595.528 ; 598.805,702.412 601.345,702.412 ; 600.075,595.528 602.615,595.528 ; 601.345,702.412 603.885,702.412 ; 602.615,595.528 605.155,595.528 ; 603.885,702.412 606.425,702.412 ; 605.155,595.528 607.695,595.528 ; 606.425,702.412 608.965,702.412 ; 607.695,595.528 610.235,595.528 ; 608.965,702.412 611.505,702.412 ; 610.235,595.528 612.775,595.528 ; 611.505,702.412 614.045,702.412 ; 612.775,595.528 615.315,595.528 ; 614.045,702.412 616.585,702.412 ; 615.315,595.528 617.855,595.528 ; 616.585,702.412 619.15,702.412 ; 617.855,595.528 620.42,595.528 ; 619.15,702.412 621.69,702.412 ; 620.42,595.528 622.96,595.528 ; 621.69,702.412 624.23,702.412 ; 622.96,595.528 625.5,595.528 ; 624.23,702.412 626.77,702.412 ; 625.5,595.528 628.04,595.528 ; 626.77,702.412 629.31,702.412 ; 628.04,595.528 630.58,595.528 ; 629.31,702.412 631.85,702.412 ; 630.58,595.528 633.12,595.528 ; 631.85,702.412 634.39,702.412 ; 633.12,595.528 635.66,595.528 ; 634.39,702.412 636.93,702.412 ; 635.66,595.528 638.2,595.528 ; 636.93,702.412 639.47,702.412 ; 638.2,595.528 640.74,595.528 ; 639.47,702.412 642.01,702.412 ; 640.74,595.528 643.28,595.528 ; 642.01,702.412 644.55,702.412 ; 643.28,595.528 645.82,595.528 ; 644.55,702.412 647.09,702.412 ; 645.82,595.528 648.36,595.528 ; 647.09,702.412 649.63,702.412 ; 648.36,595.528 650.9,595.528 ; 649.63,702.412 652.17,702.412 ; 650.9,595.528 653.44,595.528 ; 652.17,702.412 654.71,702.412 ; 653.44,595.528 655.98,595.528 ; 654.71,702.412 657.25,702.412 ; 655.98,595.528 658.52,595.528 ; 657.25,702.412 659.79,702.412 ; 658.52,595.528 661.06,595.528 ; 659.79,702.412 662.33,702.412 ; 671.932,607.67 671.932,610.21 ; 671.932,610.21 671.932,612.75 ; 671.932,612.75 671.932,615.29 ; 671.932,615.29 671.932,617.83 ; 671.932,617.83 671.932,620.37 ; 671.932,620.37 671.932,622.91 ; 671.932,622.91 671.932,625.45 ; 671.932,625.45 671.932,627.99 ; 671.932,627.99 671.932,630.53 ; 671.932,630.53 671.932,633.07 ; 671.932,633.07 671.932,635.61 ; 671.932,635.61 671.932,638.15 ; 671.932,638.15 671.932,640.69 ; 671.932,640.69 671.932,643.23 ; 671.932,643.23 671.932,645.77 ; 671.932,645.77 671.932,648.31 ; 671.932,648.31 671.932,650.875 ; 671.932,650.875 671.932,653.415 ; 671.932,653.415 671.932,655.955 ; 671.932,655.955 671.932,658.495 ; 671.932,658.495 671.932,661.035 ; 671.932,661.035 671.932,663.575 ; 671.932,663.575 671.932,666.115 ; 671.932,666.115 671.932,668.655 ; 671.932,668.655 671.932,671.195 ; 671.932,671.195 671.932,673.735 ; 671.932,673.735 671.932,676.275 ; 671.932,676.275 671.932,678.815 ; 671.932,678.815 671.932,681.355 ; 671.932,681.355 671.932,683.895 ; 671.932,683.895 671.932,686.435 ; 671.932,686.435 671.932,688.975 ; 671.932,688.975 671.932,691.515 ; 671.932,691.515 671.932,694.055